# Allegro board A733_PRO3_AXP318_LPDDR5_FBGA315BALL_32X1_V2_0.brd (continued)
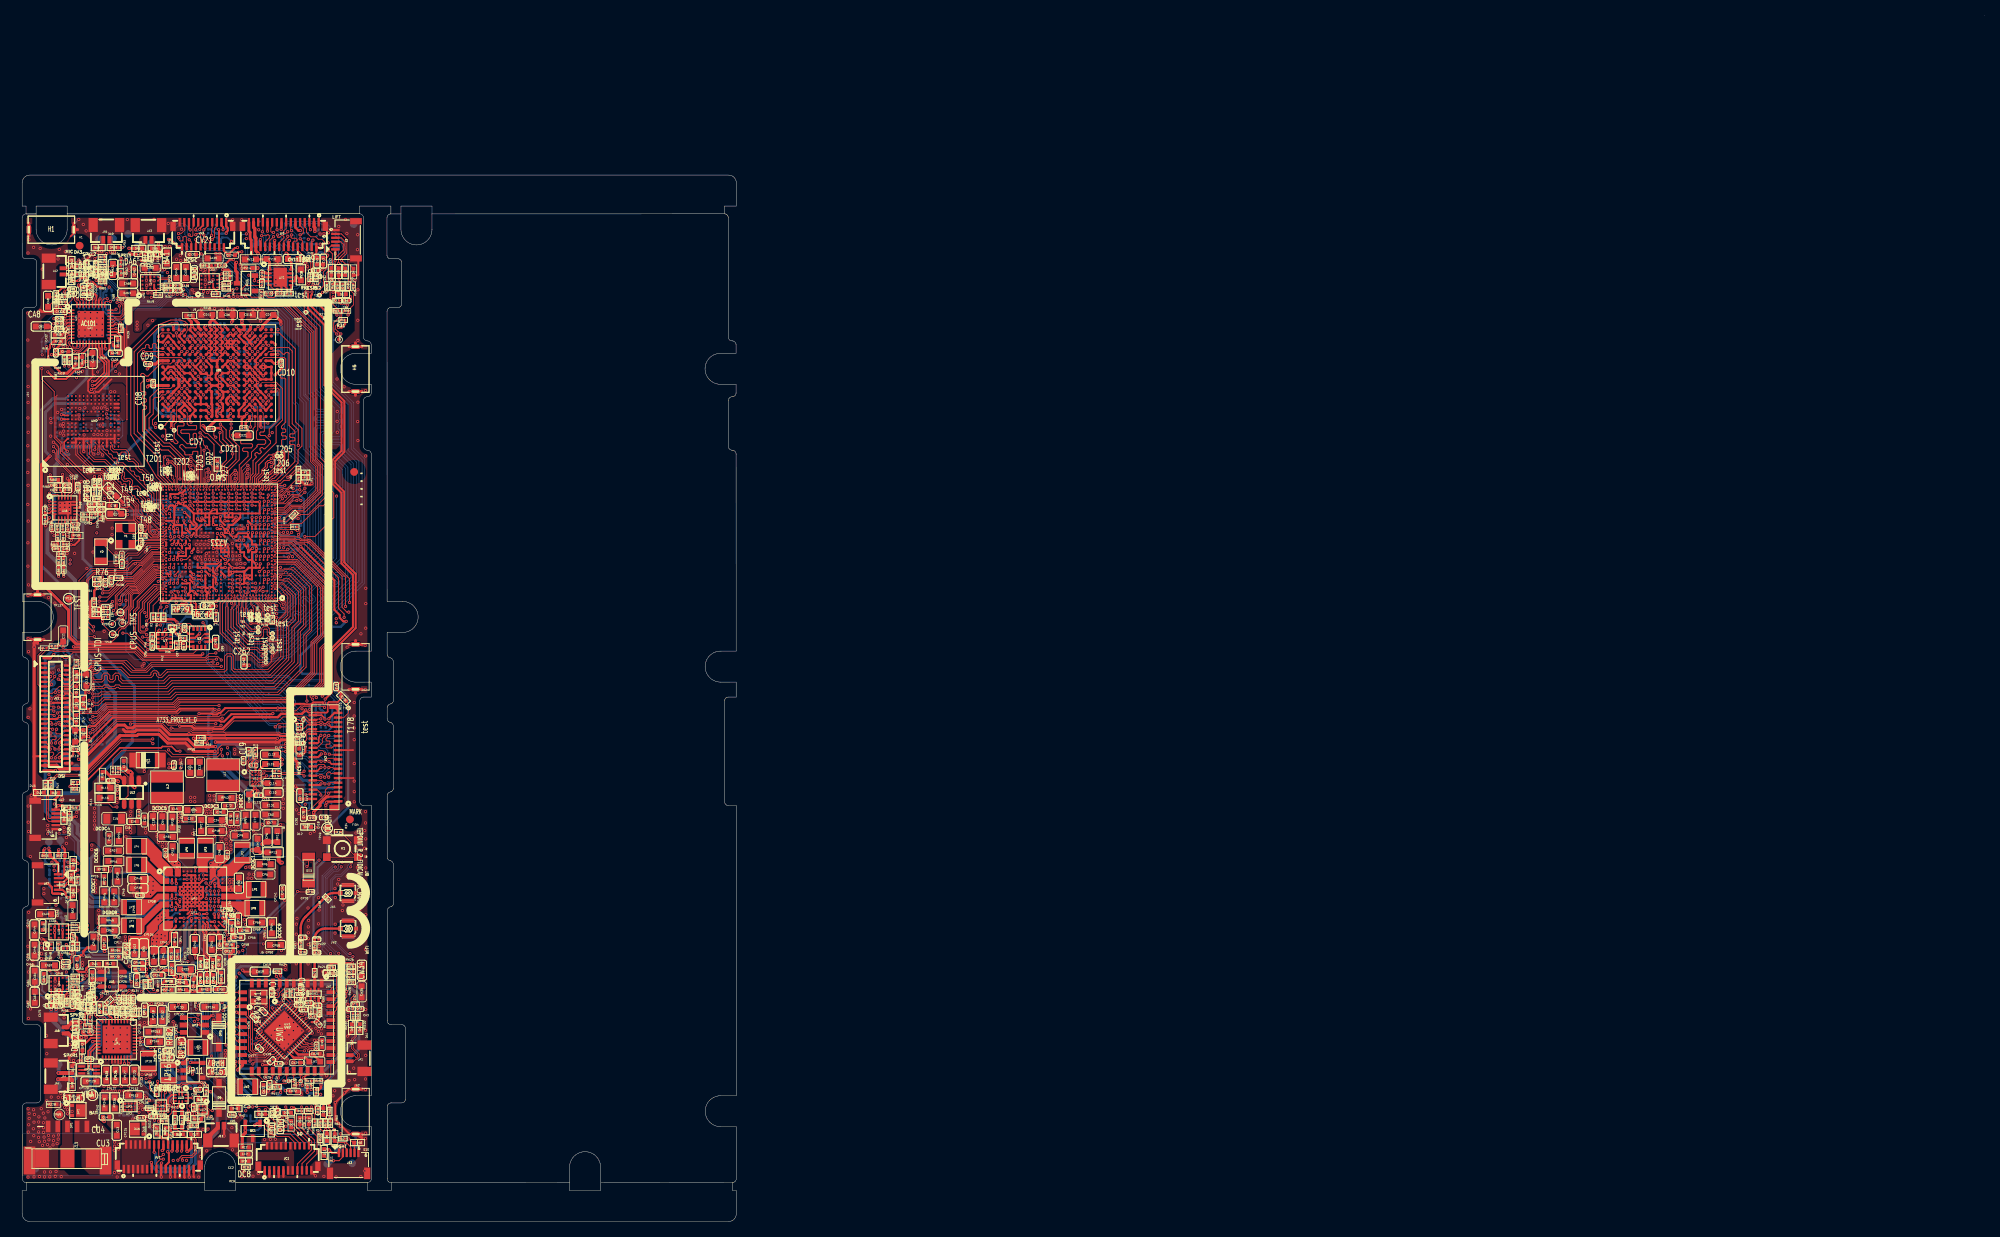
[diagram p0: board, top side]
## Routing (per net, layer and track width the routed paths; a pad name or vN(x,y) marks a point on that pad's centre or on a via; arc(x,y) is an arc through that point) (continued)
  TOP w0.254: v1(40.88,121.59) 40.88,121.66 40.81,121.72 D2.1 40.84,122.11 D3.1 ; v1(20.02,85.4) 20.02,85.74 U1.1K24 ; JV3.20 20.61,125.81 20.04,125.81 19.13,126.71 v1(18.87,126.71) ; U1.1D15 U1.1C15 U1.1B15 24.24,81.85 v1(24.12,81.74) 23.74,81.74 U1.1B17 ; v1(32.76,29.3) 32.76,29.37 32.3,29.83 CW11.1 ; U1.1AA17 U1.1Y17 ; v1(23.62,89.89) 23.66,89.85 U1.1V16 U1.1W16 U1.1Y16 ; C110.2 38.83,14.6 D7.1 38.84,15.11 38.69,15.26 v1(38.69,15.49) ; v1(32.97,111.89) 32.41,111.89 32.38,111.85 UD1.AA11 ; H2.2 42.2,11.28 40.37,13.11 v1(40.37,15.34) 42.11,17.08 H2.1 ; DL3.1 6.99,67.19 DL6.1 ; v1(22.32,42.65) 22.3,42.67 21.82,42.67 ; v1(22.32,42.65) 22.32,42.65 UP1.G8 ; v1(22.32,42.65) 22.32,42.65 ; U1.1AA12 26.16,91.39 26.61,91.39 v1(26.62,91.4) 26.62,91.39 ; 10.3,31.21 9.61,31.21 9.5,31.32 CU2.1 9.03,30.57 RU8.2 ; CD49.2 29.21,102.02 CD21.2 ; v1(24.77,115.45) 24.77,115.41 UD1.L15 ; v1(23.63,92.95) 23.73,92.85 U1.1AD16 ; 20.81,43.17 20.82,43.15 UP1.F5 ; 20.81,43.17 v1(20.79,43.19) ; 20.81,43.17 UP1.E6 ; UD1.J7 v1(24.08,109) ; v1(24.08,109) UD1.K7 ; v1(24.08,109) 24.43,109.35 UD1.K8 UD1.K9 24.43,110.32 23.73,111.02 UD1.J10 ; v1(24.08,109) UD1.J8 23.64,109.36 23.13,109.36 23.04,109.45 UD1.H8 23.03,109.55 UD1.G9 ; RW38.1 12.16,83.03 C37.2 11.26,83.03 v1(11.14,83.15) ; v1(5.69,35.73) 5.82,35.6 CA56.2 ; UM2.J3 UM2.H3 UM2.G3 ; JC1.5 32.48,5.74 32.47,5.73 ; U1.1R6 29.12,88.84 v1(29.16,88.87) ; U1.1R6 29.62,87.85 U1.1N5 U1.1N4 30.2,87.28 v1(30.2,86.84) 30.2,86.43 U1.1L4 U1.1L5 U1.1J5 U1.1J6 ; U1.1R6 U1.1R7 ; UD1.Y4 31.43,106.35 UD1.W5 30.38,107.4 30.38,107.5 UD1.V6 30.07,107.86 v1(30.38,108.26) 30.03,108.61 UD1.V7 29.72,109.05 v1(29.69,109.06) 29.69,109.09 UD1.U8 29.33,109.43 v1(28.98,109.08) 28.63,109.42 UD1.T8 ; UP5.C2 18.4,14.96 18.81,14.56 18.81,14.23 v1(18.79,14.21) ; v1(24.08,105.05) 24.05,105.09 24.05,105.14 UD1.J3 UD1.H3 ; U1.1P24 20.12,87.61 20.02,87.5 20.02,87.49 v1(19.88,87.35) ; DC6.1 33.81,13.7 v1(34.12,13.38) 34.52,12.98 DC1.1 ; UP1.F9 22.34,42.67 22.32,42.65 ; UP1.F9 22.82,43.17 ; UP1.F9 22.82,42.2 v1(22.84,42.18) ; UP1.F9 23.26,42.67 23.27,42.66 ; v1(22.15,82.93) 22.05,82.93 U1.1E21 ; v1(4.85,64.16) 5.08,63.93 JL1.28 6.24,63.93 CL20.1 6.94,63.43 ; v1(5.91,42.75) 5.92,42.75 6,42.83 DA16.1 ; v1(22.31,40.71) 22.28,40.67 UP1.K7 ; v1(22.31,40.71) 22.78,40.71 22.82,40.67 ; v1(22.31,40.71) 22.32,40.72 UP1.J8 ; UD1.R5 27.93,107.1 27.6,107.43 27.6,107.43 v1(27.58,107.44) 27.58,107.45 27.23,107.81 UD1.P6 ; 6.94,63.43 6.99,63.48 DL4.1 6.8,64.47 6.12,65.15 5.37,65.15 5.35,65.13 ; 6.94,63.43 DL7.1 ; v1(22.84,42.18) 22.85,42.17 UP1.G10 ; v1(22.84,42.18) 22.34,42.18 UP1.G8 ; v1(22.84,42.18) 22.82,42.17 22.82,41.67 ; UD1.AA5 32.62,107.05 v1(32.72,107.16) ; CV10.2 32.94,123.52 v1(32.85,123.43) ; R4.1 36.01,95.51 36.46,95.06 37.18,95.06 v1(37.36,95.24) ; UP1.G6 20.93,42.17 20.82,42.28 ; UP1.G6 21.32,42.66 21.32,42.67 ; UP1.G6 UP1.J6 ; UP1.G6 21.84,42.17 ; 26.62,91.39 26.63,91.39 27.09,91.39 U1.1AA10 ; 26.62,91.39 U1.1Y11 ; UD1.L1 25.02,103.96 25.02,104.55 UD1.L2 25.16,104.65 25.51,105 25.51,105.03 v1(25.49,105.05) 25.49,105.06 25.17,105.45 UD1.L3 ; 22.82,41.67 22.84,41.65 v1(22.84,41.12) ; 22.82,41.67 UP1.H9 23.1,41.67 23.32,41.9 23.32,42.17 UP1.G10 ; 22.82,41.67 21.82,41.67 ; UP4.28 11.18,25.13 11.2,25.11 11.2,24.47 UP4.41 ; v1(3.89,88.94) 3.89,89.24 3.86,89.26 CA91.2 ; v1(26.19,113.85) 26.53,113.51 UD1.N13 ; 21.32,43.67 21.32,43.67 UP1.E6 ; 21.32,43.67 UP1.D7 21.82,43.67 ; 21.32,43.67 UP1.D5 20.82,43.22 v1(20.79,43.19) ; v1(4.24,30.33) UA4.B1 4.24,29.57 v1(4.21,29.54) ; CA36.2 26.79,124.1 v1(27.22,124.1) ; UP1.B7 21.82,44.21 v1(21.78,44.17) 21.82,44.13 21.82,43.67 ; UP1.B7 UP1.B8 22.32,44.18 v1(22.31,44.17) 22.32,44.16 UP1.E8 ; UP1.B7 21.27,44.67 v1(21.22,44.71) 21.18,44.67 UP1.B5 ; U1.1AA14 U1.1AB14 24.65,91.85 v1(24.63,91.88) 24.12,91.38 U1.1AA16 ; v1(22.67,108.25) 22.67,108.21 UD1.H6 ; v1(21.85,41.16) 21.84,41.17 UP1.J6 ; v1(21.85,41.16) 21.82,41.13 UP1.K7 ; v1(21.85,41.16) 21.85,41.64 21.82,41.67 ; v1(21.85,41.16) 22.31,41.16 UP1.J8 ; DA4.1 7.21,121.34 v1(7.3,121.42) 7.58,121.71 CA24.2 ; U1.A31 U1.A33 U1.A34 19.33,80.4 v1(18.8,79.87) ; UL1.E1 29.69,56.3 29.73,56.26 29.73,56.21 v1(30.03,55.9) v1(30.4,55.54) ; v1(22.84,41.12) 22.89,41.17 UP1.J10 ; v1(22.84,41.12) 22.84,40.69 22.82,40.67 ; v1(22.84,41.12) 22.79,41.17 UP1.J8 ; v1(21.84,43.17) 21.82,43.15 21.82,42.67 ; v1(21.84,43.17) 22.32,43.17 UP1.E8 ; v1(21.84,43.17) 21.84,43.17 UP1.E6 ; v1(21.84,43.17) 21.84,43.65 21.82,43.67 ; v1(28.43,32.43) 28.63,32.23 CW19.2 ; CV1.2 38.47,122.69 v1(38.67,122.9) 38.82,123.04 CV2.2 38.81,123.48 CV5.2 ; v1(26.57,88.92) 26.5,88.85 U1.1T12 U1.1U12 26.44,89.35 v1(26.54,89.46) 26.62,89.54 U1.1V11 U1.1V10 U1.1W9 27.74,90.47 27.75,90.47 27.99,90.71 27.99,90.72 U1.1Y8 ; D1.1 40.63,119.88 v1(40.08,119.88) ; U1.A19 25.37,80.33 v1(25.06,80.02) ; UP1.K5 20.82,41.16 ; UP1.K5 21.3,40.67 v1(21.31,40.66) ; UP1.K5 20.82,40.18 20.84,40.17 ; 20.82,41.16 UP1.H5 ; 20.82,41.16 20.83,41.17 UP1.J6 ; v1(19.91,92.49) 20.12,92.7 U1.1AD24 20.37,92.6 v1(20.64,92.6) ; UM2.G3 UM2.F3 UM2.E3 ; UM2.G3 UM2.G2 ; v1(20.64,92.6) 20.89,92.35 U1.1AC22 21.12,92.34 21.45,92.02 21.46,92.02 U1.1AA20 U1.1W20 22.5,89.98 22.5,89.69 22.16,89.35 U1.1U21 U1.1V21 ; v1(20.64,92.6) 20.73,92.6 20.98,92.85 U1.1AD22 ; v1(23.77,80.17) 23.47,79.87 C261.2 ; v1(4.25,31.01) 4.25,31.43 4.24,31.44 UA4.B4 ; CA89.2 4.12,86.83 RA65.1 3.87,87.2 v1(3.87,87.1) ; UD1.L14 24.77,114.61 v1(24.77,114.65) ; U1.1A21 22.05,81.35 v1(22.17,81.23) 22.28,81.13 22.31,81.13 22.57,80.87 U1.B26 ; UV1.9 33.79,122.33 UV1.11 UV1.8 ; UU2.C2 22.14,14.47 CU6.1 21.93,14.25 v1(21.93,13.89) 21.93,13.77 22.23,13.47 DU10.1 ; U7.8 U7.9 18.59,74.59 18.61,74.61 v1(18.61,74.63) ; UM2.N3 UM2.N4 ; UP1.E8 22.32,42.65 ; UP1.E8 22.82,43.17 22.82,43.17 ; DC5.1 30.48,14.38 v1(30.54,14.44) ; JL1.24 5.35,65.13 ; 5.35,65.13 4.87,65.13 4.82,65.17 v1(4.82,65.17) 4.48,64.83 JL1.25 ; UD1.L5 v1(25.49,106.65) 25.49,106.64 25.15,106.26 UD1.L4 ; UP1.J6 21.32,40.67 21.32,40.67 ; v1(32.42,20.27) 32.5,20.35 CW25.2 ; v1(3.51,94.98) CA80.2 CA79.2 ; UP1.F5 21.31,42.67 v1(21.31,42.67) ; UP1.F5 20.82,42.66 ; U1.AT30 20.97,94.34 20.67,94.03 20.31,94.03 U1.1AF24 ; 22.82,43.17 v1(22.83,43.18) ; v1(29.94,121.39) 30,121.44 QV1.2 ; v1(17.63,111.85) UD1.A11 ; U1.1E17 U1.1D17 U1.1C17 ; C88.2 21.26,76.83 v1(21.51,76.58) ; JV3.17 21.51,128.09 v1(21.66,127.94) ; v1(21.31,42.67) 21.31,43.16 UP1.E6 ; v1(21.31,42.67) 21.32,42.67 ; v1(23.29,40.7) 23.32,40.73 UP1.J10 ; v1(23.29,40.7) 23.26,40.67 UP1.K9 22.82,40.67 ; v1(23.29,40.7) 23.81,40.7 23.82,40.69 ; v1(23.29,40.7) 23.29,40.2 UP1.L10 ; v1(2.51,36.46) 2.74,36.46 3.07,36.13 CA55.2 ; 26.18,110.6 26.53,110.95 UD1.N10 ; 26.18,110.6 UD1.M9 ; 26.18,110.6 26.53,110.25 UD1.N9 26.53,110.15 v1(26.88,109.8) ; U2.6 22.28,75.3 22.74,75.75 22.8,75.75 v1(22.88,75.83) ; UD1.P13 v1(26.88,113.8) ; U1.1H14 U1.1H17 U1.1G17 v1(23.13,84.35) U1.1G19 U1.1H19 ; v1(22.63,92.95) 22.73,92.85 U1.1AD18 ; v1(28.63,92.95) 28.73,92.85 U1.1AD6 ; UM2.E3 UM2.D3 UM2.C3 UM2.C2 UM2.B2 ; UM2.E3 UM2.E2 UM2.E1 7.92,99.38 v1(7.95,99.34) ; v1(20.34,42.65) 20.81,42.65 20.82,42.66 ; v1(20.34,42.65) 20.32,42.63 UP1.G4 20.7,42.17 v1(20.82,42.29) ; v1(20.34,42.65) 20.34,43.15 UP1.E4 20.77,43.17 v1(20.79,43.19) ; v1(42,27.02) 42.15,27.17 CA12.2 ; 21.82,43.67 22.82,43.67 ; UP1.J10 UP1.J11 23.82,40.9 23.82,40.89 23.82,40.69 ; UP1.G8 UP1.J8 ; UP1.G8 22.32,42.17 v1(21.85,42.17) ; UA3.B4 4.18,38.07 4.18,37.78 v1(4.19,37.78) 4.18,37.77 4.18,37.28 v1(4.19,37.27) 4.18,37.27 4.18,37.2 4.22,37.16 UA3.B1 ; v1(31.24,88.85) 31.12,88.74 U1.1R2 ; v1(20.82,42.29) 20.82,42.28 ; v1(20.82,42.29) 20.82,42.66 ; UP1.K7 21.32,40.67 ; v1(25.37,73.75) 25.28,73.84 25.26,73.84 24.95,74.14 C89.2 ; 21.82,42.67 21.82,42.19 21.84,42.17 ; 21.82,42.67 UP1.F7 21.32,42.67 ; UD1.E15 20.92,115.05 20.57,114.71 v1(20.57,114.65) 20.23,114.31 UD1.D14 20.58,113.8 UD1.E13 ; 3.67,63.03 3.69,63.02 v1(3.7,63.02) ; v1(38.53,56.46) 38.38,56.32 JV2.8 ; UP1.G10 23.32,42.42 23.27,42.47 23.27,42.66 ; CD7.2 24.66,102.25 24.72,102.19 ; 2.13,43.6 3.37,43.6 3.84,43.13 3.84,42.43 3.97,42.3 JA7.6 ; U1.1A17 23.75,81.23 v1(24.12,81.23) 23.77,80.88 U1.B23 ; v1(39.54,64.87) 39.54,64.9 40.26,65.62 JV2.39 40.73,65.94 JV2.40 ; UD1.L12 24.79,113 24.79,113.04 v1(24.78,113.04) ; v1(12.89,15.32) 12.98,15.23 13.07,15.23 13.09,15.21 UP2.A1 ; C85.2 9.8,79.07 v1(10.04,79.31) 10.07,79.29 10.49,79.29 C84.2 10.5,78.66 R22.1 ; v1(30.12,81.23) 30.02,81.33 29.96,81.33 29.93,81.35 U1.1A5 ; CV15.2 32.22,119.73 v1(32.38,119.89) ; D11.1 39.49,9.34 v1(39.62,9.21) 39.97,8.86 J12.1 ; UP1.H5 v1(21.32,41.67) UP1.H7 21.82,41.67 ; UP1.H5 20.82,42.28 ; UD1.G7 21.98,109 21.98,109.1 UD1.F8 UD1.E8 20.59,109.8 v1(20.59,109.85) 20.54,109.85 UD1.D9 19.87,110.62 v1(19.87,110.65) 19.9,110.65 19.92,110.65 UD1.D10 ; JV1.26 30.73,126.41 30.68,126.46 30.68,126.65 v1(30.72,126.68) ; DU12.1 17.37,12.11 17.22,12.27 v1(16.86,12.27) ; DA2.1 42.49,24.46 v1(41.96,23.93) ; U1.1V25 19.47,89.7 19.47,89.41 v1(19.5,89.39) 19.62,89.26 U1.1T25 ; U1.1V25 U1.1V24 U1.1V23 ; U1.1V25 19.61,89.87 19.61,90.1 v1(19.46,90.24) 19.3,90.4 U1.AF36 ; UD1.T2 28.63,104.75 UD1.U3 29.33,105.42 v1(29.68,105.06) 30,104.66 UD1.V2 ; U1.1G5 U1.1G4 U1.1G3 ; U1.1G5 29.2,84.35 28.7,83.85 U1.1F7 U1.1E7 U1.1D7 U1.1C7 ; U1.1G5 U1.1E5 ; v1(27.63,92.96) 27.63,92.95 27.73,92.85 U1.1AD8 ; v1(35.52,17.79) 35.52,17.74 35.33,17.55 RW33.2 ; U1.1AD10 26.73,92.85 v1(26.63,92.95) ; UD1.N6 26.53,107.95 UD1.M7 25.48,109 v1(25.48,109.04) 25.51,109.04 UD1.M8 UD1.N8 v1(26.88,109.8) ; CV17.2 35.81,55.61 v1(35.24,56.18) ; 23.82,40.69 23.82,40.54 23.82,40.53 UP1.L11 UP1.L10 ; 15.63,111.15 15.98,110.81 CD9.2 ; U1.W36 U1.V36 ; CA100.2 v1(5.91,88.89) ; 21.82,41.67 21.82,42.14 v1(21.85,42.17) ; CA27.2 4.41,117.48 RA13.2 ; U1.1E5 29.22,83.35 v1(29.12,83.26) ; U1.1E5 U1.1D5 ; UW2.33 38.67,19.39 v1(39.26,18.79) ; 22.82,40.67 22.82,40.29 22.94,40.17 UP1.L10 ; v1(19.11,93.31) 19.11,93.84 U1.1AF26 ; U1.1K24 U1.1K23 U1.1K22 ; U1.1K24 20.12,86.22 v1(20.22,86.32) ; UD1.G5 22.33,107.01 v1(22.69,106.65) 23.03,106.31 UD1.H4 UD1.H3 ; 19.62,92.2 19.43,92.39 19.09,92.39 18.87,92.17 ; v1(26.88,109.8) UD1.P8 27.23,109.42 27.59,109.06 v1(27.59,109.05) 27.6,109.04 27.6,108.98 UD1.R7 ; UD1.F14 21.95,113.94 21.95,113.89 21.98,113.86 v1(21.98,113.86) 21.98,113.85 21.98,113.84 22.33,113.49 UD1.G13 ; UD1.R9 27.93,110.3 v1(27.59,110.64) 27.59,110.65 27.23,111 UD1.P10 ; UD1.B12 18.83,112.55 19.14,112.24 19.17,112.24 v1(19.18,112.25) 19.19,112.24 19.19,112.24 19.2,112.23 19.2,112.18 UD1.C11 ; v1(21.55,87.35) 21.62,87.27 U1.1M21 U1.1M22 ; v1(10.37,82.12) 10.42,82.17 C20.2 ; 21.84,42.17 v1(21.85,42.17) ; v1(20.04,14.75) 20.24,14.96 UU3.6 ; 22.82,43.67 UP1.D9 22.93,43.67 23.26,44 23.26,44.03 v1(23.4,44.17) UP1.C11 ; 22.82,43.67 22.82,43.19 v1(22.83,43.18) ; v1(17.68,76.29) 17.54,76.14 U7.4 ; v1(38.58,60.32) 38.17,59.92 JV2.20 ; CD10.2 33.41,110.13 ; v1(27.28,88.29) 27.34,88.35 U1.1R9 ; UD1.G9 23.03,110.95 UD1.H10 ; UD1.G9 21.98,110.61 21.98,110.64 v1(21.98,110.64) ; 21.32,40.67 v1(21.31,40.66) ; 20.84,40.17 UP1.L4 ; 20.84,40.17 UP1.L6 21.32,40.65 v1(21.31,40.66) ; v1(39.93,121.51) 39.93,121.53 39.87,121.58 D5.1 ; UD1.L13 24.78,113.81 v1(24.78,113.84) ; UD1.B8 v1(19.18,109.8) UD1.C8 19.85,109.05 v1(19.88,109.04) 19.88,109.01 UD1.D7 ; v1(23.63,115.58) 23.43,115.39 23.43,115.35 UD1.J15 ; UM2.P11 UM2.N11 ; 1.55,60.01 1.57,60.03 JL1.41 ; UD1.H3 UD1.G3 ; 23.27,42.66 23.27,42.83 23.32,42.89 UP1.E10 22.84,43.17 v1(22.83,43.18) ; v1(30.15,89.89) 30.15,89.84 30.1,89.79 30.1,89.38 U1.1U4 ; v1(32.38,98.88) 32.35,98.88 32.32,98.91 ; UD1.N1 26.86,104.19 v1(26.86,104.24) ; U1.A28 U1.B28 U1.B29 ; v1(33.62,99.33) 33.8,99.15 33.8,97.67 v1(32.64,96.52) ; UD1.G11 22.68,112.2 v1(22.68,112.25) ; UD1.Y8 v1(31.08,109.1) UD1.W8 30.7,109.46 v1(30.41,109.84) 30.03,110.22 UD1.V9 30.34,110.65 v1(30.38,110.65) 30.03,111 UD1.V10 30.03,111.11 30.37,111.45 30.37,111.49 30.73,111.85 UD1.W11 31.43,112.55 UD1.Y12 ; U1.1AD12 25.73,92.85 v1(25.63,92.95) ; UD1.L11 24.8,112.18 24.8,112.23 v1(24.79,112.25) ; v1(30.99,20.23) 31.65,20.23 CW28.1 ; U1.1Y25 U1.1AB25 ; v1(17.63,106.84) 17.84,107.05 UD1.A5 ; CV24.2 27.88,125.11 v1(28.32,125.11) ; UD1.J12 23.73,112.69 v1(23.4,113.02) UD1.H12 ; v1(9.17,124.71) 8.92,124.71 8.24,124.03 CA16.1 ; 16.78,108.59 16.9,108.47 CD8.2 ; U1.1AD14 24.73,92.85 v1(24.63,92.95) ; CW23.1 31.64,16.74 v1(31.76,16.86) ; JC1.21 37.28,6.42 v1(37.82,5.89) ; DC2.1 36.4,13.4 v1(36.35,13.36) 36.32,13.39 DC4.1 ; v1(5.79,86.19) CA83.1 RA61.2 ; v1(35.41,64.35) 35.56,64.2 U5.A1 ; UD1.R13 v1(27.58,113.8) ; v1(20.71,88.41) 20.62,88.5 U1.1T23 U1.1T22 ; 22.11,5.78 JU1.31 ; v1(23.38,113.86) 23.73,113.51 UD1.J13 ; D9.1 40.3,11.8 v1(40.22,11.89) ; v1(29.56,27.05) 29.56,26.67 CW26.2 ; CL19.2 7.09,60.62 7.43,60.28 v1(7.81,60.28) ; UW2.31 36.81,19.07 v1(36.28,18.54) 36.66,18.16 RW4.1 ; v1(30.21,59.87) 30.21,59.87 30.21,60.19 RL7.2 ; U1.1F26 19.12,83.46 v1(19,83.33) 18.73,83.6 U1.J36 ; v1(31.64,12.38) 31.78,12.24 32.11,12.24 DC7.1 ; UM2.P12 UM2.N12 ; U1.1AC3 30.62,92.84 v1(30.61,92.85) ; J2.1 v1(40.39,124.85) ; J2.7 43.33,123.97 43.33,122.17 43.26,122.1 D4.1 ; 22.63,91.35 v1(22.63,91.91) ; DC3.1 v1(33.26,13.29)
  TOP w0.3: v1(34.44,126.57) 34.44,126.49 34.33,126.39 JV1.14 ; v1(35.86,127.86) 35.61,127.86 35.23,128.23 JV1.11 ; JV1.23 31.63,127.79 v1(31.63,127.79) ; JV1.20 32.53,126.53 v1(32.56,126.56) ; v1(33.38,128) 33.38,128.23 33.43,128.28 JV1.17
  TOP w0.305: JU1.28 21.21,9.1 v1(21.25,9.05) 21.39,9.05 21.81,9.47 JU1.30 ; v1(39.13,11.84) 39.29,11.68 D8.1 ; v1(26.88,113) UD1.N12 26.53,112.72 v1(26.2,113.05) 26.2,113.12 UD1.N13 ; v1(26.88,113) UD1.P12 27.23,112.59 v1(27.58,112.24) 27.93,111.89 UD1.R11 ; v1(26.88,113) 27.23,113.35 UD1.P13 v1(27.58,113.8) ; v1(26.88,113) 26.88,113.1 UD1.N13 ; v1(19.91,92.49) 19.62,92.2 U1.1AB25 ; v1(10.37,82.12) 9.97,82.12 C51.2 ; v1(4.08,73.15) 3.61,72.68 JL1.47 ; DU11.1 18.96,12.11 19.04,12.03 v1(19.06,12.03) 19.11,11.97 19.11,11.76 19.63,11.24 DU8.1 ; UD1.D7 20.23,108.5 20.16,108.44 20.16,108.08 20.23,108.01 UD1.D6 20.23,107.75 UD1.C5 19.53,106.99 v1(19.2,106.65) 18.83,106.29 UD1.B4 ; UD1.U15 v1(28.97,114.65) UD1.T14 29.33,113.55 ; v1(4.85,67.45) 4.92,67.52 5.53,67.52 5.54,67.53 JL1.16 ; CU5.1 22.94,17.36 v1(22.92,17.37) ; C85.2 9.8,78.36 R24.2 ; 20.95,5.68 20.91,5.71 JU1.27 ; CA99.2 8.75,91.86 RA69.1 ; UD1.N15 26.53,115.09 v1(26.18,115.44) ; v1(21.01,31.8) 20.9,31.91 20.9,31.94 20.34,32.5 CP22.1 ; UD1.N13 v1(26.88,113.8) ; 33.08,5.75 JC1.7 ; CW24.2 36.31,20.5 v1(36.32,20.49) ; v1(4.78,59.83) 5.29,60.33 JL1.40 ; JU1.29 21.51,5.77 v1(21.55,5.74) ; v1(33.55,59.58) 32.9,60.24 CL12.1 ; CP137.1 10.8,27.89 v1(10.78,27.91) 10.78,28.05 RU7.2 ; UD1.R3 27.93,105.49 v1(27.58,105.84) 27.23,106.19 UD1.P4 v1(26.88,106.6) UD1.N4 26.33,106.05 26.33,105.66 UD1.N3 ; v1(19.12,5.74) 19.11,5.75 JU1.21 ; v1(24.78,113.84) 25.13,114.2 UD1.L14 ; 16.78,108.59 16.47,108.59 16.44,108.56 16.21,108.56 16.17,108.52 v1(16.17,108.52) ; CP12.1 7.07,32.46 7.32,32.21 v1(8.27,32.21) 8.27,32.64 8.88,33.26 DU4.1 ; v1(24.79,112.25) 25.13,112.59 UD1.L12 ; v1(26.04,11.02) 26.04,11.03 J11.2 ; 20.33,5.7 20.31,5.72 JU1.25 ; CD49.2 28.83,102.42 28.83,103.11 v1(29.03,103.31) 29.33,103.6 UD1.U1 ; 24.68,102.23 24.77,102.23 24.91,102.37 v1(25.55,102.37) ; CA37.2 24.42,123.24 24.51,123.15 v1(24.51,122.82) ; v1(32.62,109.22) 33.41,110.01 33.41,110.13 ; v1(4.21,54.45) 4.6,54.85 4.6,54.94 4.69,55.03 DU2.1 ; UD1.F2 21.63,104.75 UD1.E3 ; v1(6.05,20.77) 6.05,21.17 6.87,21.99 DA12.1 ; v1(4.3,58.2) 4.28,58.18 JL1.46 ; v1(20.59,105.85) 20.93,105.5 UD1.E3 ; UP3.2 22.92,25.35 v1(22.7,25.57) ; v1(22.73,16.18) 22.73,15.94 22.65,15.85 DU9.1 ; v1(8.81,66.12) 8.37,66.12 DL2.1 7.56,66.92 7.55,66.92 7.3,67.17 DL3.1 ; v1(30.03,55.9) 29.24,55.12 C56.2 29.36,54.99 CL11.1 30.22,55.36 v1(30.4,55.54) ; UD1.E3 20.93,105.35 UD1.D2 20.93,103.95 UD1.E1 ; CP29.1 22.43,30.36 CP48.1 21.57,30.36 CP140.1 ; v1(22.68,11.9) 22.63,11.86 DU7.1 ; v1(7.18,45.35) 7.05,45.35 6.45,44.75 DA14.1 ; C87.2 v1(20.47,74.54) 20.44,74.57 R36.1 19.64,76.08 R43.1 ; CD1.2 30.98,117.65 v1(30.98,117.65) ; JU1.22 19.41,9.2 19.31,9.1 v1(19.31,9.09) ; v1(20.54,9.09) 20.61,9.16 JU1.26 ; UD1.V14 29.33,113.55 ; 29.33,113.55 UD1.U13 29.33,113.42 v1(29.68,113.06) ; CP35.1 24.91,30.92 v1(25.1,30.72) ; CW22.1 35.83,16.76 35.97,16.63 v1(35.97,16.42) ; CA27.2 3.85,117.41 3.83,117.38 2.55,117.38 2.32,117.61 ; v1(2.93,48.09) 2.75,47.91 DA15.1 ; CA82.2 6.05,95.62 v1(5.84,95.83) ; JC1.22 v1(30.43,6.19) ; v1(42.35,119.3) 42.37,119.28 42.37,119.1 C86.2 ; JL1.7 3.58,70.23 v1(3.66,70.32) ; v1(29.76,117.65) 29.76,117.65 CD16.2 ; JU1.23 19.71,5.73 19.72,5.73 ; 22.17,5.73 22.11,5.78 ; v1(3.7,63.02) 3.69,63.03 JL1.31 ; DA10.1 v1(12.9,125.66) ; DL5.1 7.32,70.57 CL18.1 8.28,70.97 8.9,71.59 9.07,71.59 v1(9.12,71.64) ; v1(19.97,9.09) 19.97,9.12 20.01,9.16 JU1.24 ; JU1.18 18.21,9.3 18.08,9.17 v1(18.06,9.17) ; DA13.1 6.75,46.62 v1(7.19,46.19) ; CA54.2 17.72,125.4 DA5.1 v1(17.56,126.1) ; v1(25.73,117.64) CD6.2 ; 31.88,5.79 JC1.3 ; JL1.37 3.19,61.23 3.46,60.95 v1(3.61,60.95) ; CA4.1 5.12,112.24 4.71,111.82 4.35,111.82 CA14.2 v1(3.8,111.84) ; v1(17.98,7.54) 17.91,7.48 JU1.17 17.91,5.77 v1(17.94,5.74) ; UD1.L15 24.77,114.7 v1(24.77,114.65) ; UD1.J1 23.73,103.78 v1(24.07,103.43) ; v1(4.64,53.65) 4.32,53.34 J1.1 ; JL1.34 5.21,62.13 v1(4.81,61.73) ; CP115.2 15.73,13.52 15.82,13.52 15.87,13.58 v1(15.97,13.58) ; DA17.1 4.66,47.91 v1(4.73,47.97) ; DA7.1 6.62,20.23 v1(6.62,20.77) ; 33.68,5.77 JC1.9 ; UD1.L13 24.78,113.11 v1(24.78,113.04) ; v1(23.1,117.72) CD11.2 ; JC1.1 31.28,5.74
  TOP w0.381: 6.67,128.8 H1.1 7.14,127.97 ; DA6.1 13.79,125.55 v1(13.77,125.56) ; v1(4.64,53.65) 5.17,53.65 5.38,53.44 RU6.2 ; H3.2 2.81,80.87 ; H3.2 1.15,80.87 ; H3.2 1.98,81.35 ; v1(29.45,115.62) 29.45,115.18 UD1.U15 ; 43.83,11.28 H2.2 43.83,10.8 ; 0.87,127.14 H1.2 0.87,128.8 ; v1(21.01,31.8) 21.01,31.77 21.04,31.74 21.04,30.89 CP140.1 ; 42.97,106.6 H5.2 ; H5.2 42.14,107.08 ; H5.2 43.8,107.08 ; 42.16,74.46 H4.2 ; H4.2 43.81,74.46 ; H4.2 42.98,74.94 ; RL13.1 12.98,58.45 CL7.1 ; CP40.1 22.26,34.44 v1(22.26,34.44) ; 1.15,75.07 H3.1 ; H3.1 2.81,75.07 ; H3.1 1.98,74.59 ; CP129.1 7.86,24.38 7.86,24.29 8.24,23.91 v1(8.24,23.71) ; CA53.2 14,124.8 v1(13.88,124.93) ; H5.1 43.8,112.88 ; H5.1 42.97,113.36 ; H5.1 42.14,112.88 ; CP35.1 CP33.1 CP29.1 ; 42.98,68.18 H4.1 ; H4.1 42.16,68.66 ; H4.1 43.81,68.66 ; C135.2 11.19,56.16 RL11.2 ; 43.83,17.08 H2.1 43,17.56